# Allegro board 038RT-9068CJK8E-A100_0921_1.brd (continued)
## Placement (name value [footprint] x y rotation side) (continued)
NOREF#3812  -  []  543.03 57.4 0 top
NOREF#3813  -  []  404.09 269.03 0 top
NOREF#3814  -  []  594.34 261.85 90 top
NOREF#3815  -  []  85.65 290.09 0 top
NOREF#3816  -  []  607.42 164.08 0 top
NOREF#3817  -  []  282.4 279.42 90 top
NOREF#3818  -  []  498.69 33.53 0 top
NOREF#3819  -  []  98.92 150.5 90 top
NOREF#3820  -  []  285.67 268.25 90 top
NOREF#3821  -  []  503.67 269.89 0 top
NOREF#3822  -  []  682.83 178.69 90 top
NOREF#3823  -  []  366.53 265.91 0 top
NOREF#3824  -  []  598.8 206.2 90 top
NOREF#3825  -  []  92.99 207.43 90 top
NOREF#3826  -  []  250.03 265.91 90 top
NOREF#3827  -  []  288.89 203.43 90 top
NOREF#3828  -  []  86.2 199 90 top
NOREF#3829  -  []  237.98 41.32 90 top
NOREF#3830  -  []  596.81 267.41 0 top
NOREF#3831  -  []  514.56 35.81 90 top
NOREF#3832  -  []  282.07 267.02 0 top
NOREF#3833  -  []  517.83 415.37 90 top
NOREF#3834  -  []  310.79 422.36 90 top
NOREF#3835  -  []  554.27 230.65 90 top
NOREF#3836  -  []  404.87 199.45 90 top
NOREF#3837  -  []  580.95 257.23 90 top
NOREF#3838  -  []  370.33 213.29 90 top
NOREF#3839  -  []  340.65 239.37 90 top
NOREF#3840  -  []  628.51 196.98 90 top
NOREF#3841  -  []  601.17 208.62 0 top
NOREF#3842  -  []  77.86 262.82 0 top
NOREF#3843  -  []  189.82 28.72 0 top
NOREF#3844  -  []  580.58 322.4 90 top
NOREF#3845  -  []  360.52 284.66 0 top
NOREF#3846  -  []  157.3 305.22 0 top
NOREF#3847  -  []  94.97 209.42 0 top
NOREF#3848  -  []  679.31 288.93 0 top
NOREF#3849  -  []  604.37 263.02 0 top
NOREF#3850  -  []  237.23 271.69 0 top
NOREF#3851  -  []  285.71 264.21 0 top
NOREF#3852  -  []  284.89 267.45 90 top
NOREF#3853  -  []  617.84 312.42 90 top
NOREF#3854  -  []  143.38 234.04 0 top
NOREF#3855  -  []  293.1 221.84 0 top
NOREF#3856  -  []  100.6 34.54 90 top
NOREF#3857  -  []  462.62 428.64 90 top
NOREF#3858  -  []  29.9 424.64 90 top
NOREF#3859  -  []  325.3 274.68 90 top
NOREF#3860  -  []  417.85 261.92 0 top
NOREF#3861  -  []  580.58 325.6 0 top
NOREF#3862  -  []  441.21 284.38 90 top
NOREF#3863  -  []  281.71 265.01 0 top
NOREF#3864  -  []  661.53 141.61 90 top
NOREF#3865  -  []  590.08 149.4 90 top
NOREF#3866  -  []  253.61 210.11 90 top
NOREF#3867  -  []  407.67 200.59 0 top
NOREF#3868  -  []  601.17 267.02 0 top
NOREF#3869  -  []  628.81 261.37 90 top
NOREF#3870  -  []  211.66 214.96 90 top
NOREF#3871  -  []  524.11 48.15 0 top
NOREF#3872  -  []  600.81 267.43 0 top
NOREF#3873  -  []  290.24 245.98 90 top
NOREF#3874  -  []  13.87 392.63 0 top
NOREF#3875  -  []  278.1 213.42 0 top
NOREF#3876  -  []  408.87 212.23 90 top
NOREF#3877  -  []  91.46 195.14 90 top
NOREF#3878  -  []  97.37 267.82 0 top
NOREF#3879  -  []  436.2 229.09 0 top
NOREF#3880  -  []  633.37 224.63 90 top
NOREF#3881  -  []  631.5 145.52 90 top
NOREF#3882  -  []  586.01 242.9 0 top
NOREF#3883  -  []  3.37 399.67 0 top
NOREF#3884  -  []  608.78 275.17 0 top
NOREF#3885  -  []  608.78 208.37 90 top
NOREF#3886  -  []  436.21 278.28 0 top
NOREF#3887  -  []  397.71 212.23 0 top
NOREF#3888  -  []  100.97 205.83 90 top
NOREF#3889  -  []  287.7 269.39 90 top
NOREF#3890  -  []  277.14 223.88 0 top
NOREF#3891  -  []  503.77 29.72 90 top
NOREF#3892  -  []  605.57 261.05 90 top
NOREF#3893  -  []  600.23 242.9 0 top
NOREF#3894  -  []  596.4 262.99 90 top
NOREF#3895  -  []  285.75 285.56 90 top
NOREF#3896  -  []  417.46 262.29 90 top
NOREF#3897  -  []  411.29 261.83 0 top
NOREF#3898  -  []  418.18 378.54 0 top
NOREF#3899  -  []  595.57 209.42 0 top
NOREF#3900  -  []  562.97 149.86 90 top
NOREF#3901  -  []  35.05 426.55 90 top
NOREF#3902  -  []  521.24 60.43 0 top
NOREF#3903  -  []  70.21 164.08 0 top
NOREF#3904  -  []  569.32 160.02 90 top
NOREF#3905  -  []  282.1 211 90 top
NOREF#3906  -  []  412.87 201.05 90 top
NOREF#3907  -  []  337.67 216.53 0 top
NOREF#3908  -  []  578.77 216.23 90 top
NOREF#3909  -  []  107.54 216.08 90 top
NOREF#3910  -  []  693.28 87.04 0 top
NOREF#3911  -  []  267.26 416.84 0 top
NOREF#3912  -  []  353.03 46.1 90 top
NOREF#3913  -  []  139.3 53.82 90 top
NOREF#3914  -  []  96.19 267.45 90 top
NOREF#3915  -  []  93.37 207.02 0 top
NOREF#3916  -  []  297.46 202.29 90 top
NOREF#3917  -  []  90.57 209.85 90 top
NOREF#3918  -  []  441.22 223.73 90 top
NOREF#3919  -  []  239.73 263.62 0 top
NOREF#3920  -  []  113.22 325.6 0 top
NOREF#3921  -  []  349.89 96.61 90 top
NOREF#3922  -  []  184.37 272.9 0 top
NOREF#3923  -  []  600.4 262.2 90 top
NOREF#3924  -  []  593.59 212.21 0 top
NOREF#3925  -  []  98.76 217.99 90 top
NOREF#3926  -  []  85.97 229.19 90 top
NOREF#3927  -  []  219.2 193.04 90 top
NOREF#3928  -  []  337.16 28.19 90 top
NOREF#3929  -  []  257.83 21.92 0 top
NOREF#3930  -  []  285.67 258.65 90 top
NOREF#3931  -  []  103.67 153.24 0 top
NOREF#3932  -  []  69.07 331.72 90 top
NOREF#3933  -  []  173.74 425.5 0 top
NOREF#3934  -  []  627.75 279.51 90 top
NOREF#3935  -  []  594.77 266.22 0 top
NOREF#3936  -  []  584.69 153.42 90 top
NOREF#3937  -  []  505.58 438.53 0 top
NOREF#3938  -  []  340.54 17.88 90 top
NOREF#3939  -  []  595.99 205.81 0 top
NOREF#3940  -  []  405.59 282.09 0 top
NOREF#3941  -  []  137.98 230.84 90 top
NOREF#3942  -  []  88.19 205.01 0 top
NOREF#3943  -  []  106.35 275.62 90 top
NOREF#3944  -  []  275.66 279.4 90 top
NOREF#3945  -  []  566.05 262.44 90 top
NOREF#3946  -  []  595.99 205.01 0 top
NOREF#3947  -  []  106.29 229.19 90 top
NOREF#3948  -  []  461.36 36.71 90 top
NOREF#3949  -  []  593.97 211.82 0 top
NOREF#3950  -  []  257.77 330.54 90 top
NOREF#3951  -  []  542.4 424.45 90 top
NOREF#3952  -  []  164.24 427.41 90 top
NOREF#3953  -  []  379.01 266.2 0 top
NOREF#3954  -  []  105.26 207.35 90 top
NOREF#3955  -  []  616.07 16.89 90 top
NOREF#3956  -  []  406.49 264.23 0 top
NOREF#3957  -  []  287.9 193.53 90 top
NOREF#3958  -  []  603.99 210.63 0 top
NOREF#3959  -  []  388.53 144.61 0 top
NOREF#3960  -  []  89.37 207.02 0 top
NOREF#3961  -  []  436.21 228.44 0 top
NOREF#3962  -  []  326.57 205.1 0 top
NOREF#3963  -  []  399.27 271.45 90 top
NOREF#3964  -  []  590.8 273.42 0 top
NOREF#3965  -  []  275.11 283.88 0 top
NOREF#3966  -  []  436.71 144.84 0 top
NOREF#3967  -  []  602.59 242.01 90 top
NOREF#3968  -  []  99.39 202.61 0 top
NOREF#3969  -  []  91.39 273.03 0 top
NOREF#3970  -  []  440.04 427.89 90 top
NOREF#3971  -  []  366.23 273.28 0 top
NOREF#3972  -  []  336.31 31.07 0 top
NOREF#3973  -  []  687.4 50.29 90 top
NOREF#3974  -  []  534.18 185.39 0 top
NOREF#3975  -  []  285.11 193.92 0 top
NOREF#3976  -  []  413.67 267.43 90 top
NOREF#3977  -  []  595.99 206.61 0 top
NOREF#3978  -  []  181.25 443.92 90 top
NOREF#3979  -  []  682.83 157.73 90 top
NOREF#3980  -  []  365.04 262.31 90 top
NOREF#3981  -  []  66.57 246.05 90 top
NOREF#3982  -  []  92.57 136.91 90 top
NOREF#3983  -  []  245.33 265.91 0 top
NOREF#3984  -  []  175.84 27.91 90 top
NOREF#3985  -  []  284.07 269.85 90 top
NOREF#3986  -  []  83.59 195.14 90 top
NOREF#3987  -  []  283.7 269.39 90 top
NOREF#3988  -  []  420.43 41.32 90 top
NOREF#3989  -  []  678.41 245.12 0 top
NOREF#3990  -  []  338.32 205.1 0 top
NOREF#3991  -  []  77.64 262.39 90 top
NOREF#3992  -  []  604.4 264.6 90 top
NOREF#3993  -  []  288.47 208.62 0 top
NOREF#3994  -  []  398.83 431.62 0 top
NOREF#3995  -  []  415.12 426.36 0 top
NOREF#3996  -  []  0.3 0 90 top
NOREF#3997  -  []  94.17 325.6 0 top
NOREF#3998  -  []  408.89 260.98 0 top
NOREF#3999  -  []  66.53 135 0 top
NOREF#4000  -  []  73.52 316.87 90 top
NOREF#4001  -  []  56.39 212.12 0 top
NOREF#4002  -  []  404.91 209.81 0 top
NOREF#4003  -  []  600.77 263.45 90 top
NOREF#4004  -  []  95.61 160.02 90 top
NOREF#4005  -  []  594.14 241.7 90 top
NOREF#4006  -  []  7.76 19.94 90 top
NOREF#4007  -  []  602.77 268.62 0 top
NOREF#4008  -  []  373.74 27.61 90 top
NOREF#4009  -  []  105.27 316.87 90 top
NOREF#4010  -  []  250.33 205.67 90 top
NOREF#4011  -  []  674.38 279.13 0 top
NOREF#4012  -  []  598.8 204.6 90 top
NOREF#4013  -  []  191.97 260.48 90 top
NOREF#4014  -  []  281.69 47.53 90 top
NOREF#4015  -  []  96.46 290.11 0 top
NOREF#4016  -  []  352.82 446.71 90 top
NOREF#4017  -  []  598.37 209.03 90 top
NOREF#4018  -  []  408.89 200.98 0 top
NOREF#4019  -  []  -27.99 85.48 0 top
NOREF#4020  -  []  440.01 222.99 0 top
NOREF#4021  -  []  411.31 213.01 0 top
NOREF#4022  -  []  573.39 312.42 90 top
NOREF#4023  -  []  398.1 273.42 0 top
NOREF#4024  -  []  329.32 432.44 90 top
NOREF#4025  -  []  235.4 270.11 90 top
NOREF#4026  -  []  383.03 416.84 0 top
NOREF#4027  -  []  625.03 347.19 0 top
NOREF#4028  -  []  100.17 207.43 90 top
NOREF#4029  -  []  191.05 228.77 0 top
NOREF#4030  -  []  539.03 190.34 90 top
NOREF#4031  -  []  284.87 199.45 90 top
NOREF#4032  -  []  72.6 228.22 90 top
NOREF#4033  -  []  77.86 198.12 0 top
NOREF#4034  -  []  93.78 230.09 0 top
NOREF#4035  -  []  402.1 263.8 90 top
NOREF#4036  -  []  155.98 32 0 top
NOREF#4037  -  []  356.58 289.54 0 top
NOREF#4038  -  []  487.42 233.37 0 top
NOREF#4039  -  []  201.75 416.84 0 top
NOREF#4040  -  []  517.23 276.1 0 top
NOREF#4041  -  []  692.13 279.13 90 top
NOREF#4042  -  []  404.89 207.45 90 top
NOREF#4043  -  []  476.74 423.14 90 top
NOREF#4044  -  []  408.89 272.23 0 top
NOREF#4045  -  []  197.26 438.45 90 top
NOREF#4046  -  []  437.41 227.79 90 top
NOREF#4047  -  []  85.37 258.22 0 top
NOREF#4048  -  []  574.64 253.15 0 top
NOREF#4049  -  []  330.54 59.16 0 top
NOREF#4050  -  []  287.67 264.62 0 top
NOREF#4051  -  []  297.83 28.45 90 top
NOREF#4052  -  []  309.38 30.1 90 top
NOREF#4053  -  []  600.77 211.43 90 top
NOREF#4054  -  []  585.18 181.05 90 top
NOREF#4055  -  []  636.29 166.63 0 top
NOREF#4056  -  []  380.42 49.56 90 top
NOREF#4057  -  []  488.58 425.56 0 top
NOREF#4058  -  []  615.48 126.54 90 top
NOREF#4059  -  []  117.8 186.22 90 top
NOREF#4060  -  []  539.03 183.99 90 top
NOREF#4061  -  []  247.28 213.54 0 top
NOREF#4062  -  []  85.97 289.19 90 top
NOREF#4063  -  []  485.71 231.97 0 top
NOREF#4064  -  []  512.44 426.39 90 top
NOREF#4065  -  []  274.46 223.86 0 top
NOREF#4066  -  []  324.92 206.1 90 top
NOREF#4067  -  []  242.71 269.57 90 top
NOREF#4068  -  []  319.44 52.71 90 top
NOREF#4069  -  []  35.55 452.26 90 top
NOREF#4070  -  []  338.32 216.53 0 top
NOREF#4071  -  []  582.96 414.93 90 top
NOREF#4072  -  []  204.06 427.89 90 top
NOREF#4073  -  []  406.49 209.03 90 top
NOREF#4074  -  []  89.17 40.89 0 top
NOREF#4075  -  []  412.09 268.21 0 top
NOREF#4076  -  []  403.09 290.11 90 top
NOREF#4077  -  []  99.37 268.23 90 top
NOREF#4078  -  []  -15.54 277.28 0 top
NOREF#4079  -  []  464.04 429.34 90 top
NOREF#4080  -  []  328.94 27.31 90 top
NOREF#4081  -  []  100.97 204.23 90 top
NOREF#4082  -  []  603.19 261.03 90 top
NOREF#4083  -  []  286.47 262.63 90 top
NOREF#4084  -  []  588.49 203.5 90 top
NOREF#4085  -  []  266.86 261.86 90 top
NOREF#4086  -  []  292.35 285.56 90 top
NOREF#4087  -  []  615.17 215.22 90 top
NOREF#4088  -  []  2.21 245.53 90 top
NOREF#4089  -  []  609.98 275.17 0 top
NOREF#4090  -  []  289.69 269.81 0 top
NOREF#4091  -  []  435.3 218.61 0 top
NOREF#4092  -  []  116.5 279.83 90 top
NOREF#4093  -  []  606.65 182.01 90 top
NOREF#4094  -  []  276.81 280.37 90 top
NOREF#4095  -  []  59.69 148.61 90 top
NOREF#4096  -  []  468.93 37.13 90 top
NOREF#4097  -  []  354.63 62.08 0 top
NOREF#4098  -  []  340.65 205.08 90 top
NOREF#4099  -  []  517.23 231.97 0 top
NOREF#4100  -  []  612.63 332.36 90 top
NOREF#4101  -  []  45.67 275.01 90 top
NOREF#4102  -  []  595.19 212.21 0 top
NOREF#4103  -  []  300.8 454.84 315 top
NOREF#4104  -  []  631.5 362.67 90 top
NOREF#4105  -  []  89.79 262.65 90 top
NOREF#4106  -  []  280.55 220.05 0 top
NOREF#4107  -  []  615.15 189.07 90 top
NOREF#4108  -  []  293.67 210.63 90 top
NOREF#4109  -  []  329.32 437.01 90 top
NOREF#4110  -  []  597.61 267.41 0 top
NOREF#4111  -  []  280.89 266.63 90 top
NOREF#4112  -  []  182.72 265.29 0 top
NOREF#4113  -  []  293.67 270.63 90 top
NOREF#4114  -  []  284.11 265.03 0 top
NOREF#4115  -  []  100.52 230.11 0 top
NOREF#4116  -  []  405.69 206.65 90 top
NOREF#4117  -  []  191.96 287.46 0 top
NOREF#4118  -  []  60.05 258.5 0 top
NOREF#4119  -  []  106.25 275.21 90 top
NOREF#4120  -  []  75.12 346.56 0 top
NOREF#4121  -  []  317 425.56 0 top
NOREF#4122  -  []  599.99 199.43 0 top
NOREF#4123  -  []  273.03 273.53 90 top
NOREF#4124  -  []  207.56 27.63 0 top
NOREF#4125  -  []  75.45 249.07 90 top
NOREF#4126  -  []  91.41 204.21 0 top
NOREF#4127  -  []  595.19 199.45 90 top
NOREF#4128  -  []  86.59 198.63 0 top
NOREF#4129  -  []  151.71 282.81 90 top
NOREF#4130  -  []  408.07 203.45 90 top
NOREF#4131  -  []  279.67 271.02 0 top
NOREF#4132  -  []  404.09 209.83 90 top
NOREF#4133  -  []  318.33 332.54 90 top
NOREF#4134  -  []  94.43 290.11 0 top
NOREF#4135  -  []  624.78 285.14 0 top
NOREF#4136  -  []  256.81 213.31 0 top
NOREF#4137  -  []  287.29 207.41 0 top
NOREF#4138  -  []  403.29 207.41 0 top
NOREF#4139  -  []  230.19 44.59 90 top
NOREF#4140  -  []  404.34 285.56 90 top
NOREF#4141  -  []  283.79 283.21 90 top
NOREF#4142  -  []  631.5 149.92 90 top
NOREF#4143  -  []  104.07 266.89 90 top
NOREF#4144  -  []  416.18 144.61 0 top
NOREF#4145  -  []  407.29 208.21 0 top
NOREF#4146  -  []  311.26 434.85 90 top
NOREF#4147  -  []  410.51 273.01 0 top
NOREF#4148  -  []  132.95 49.42 90 top
NOREF#4149  -  []  602.91 241.71 0 top
NOREF#4150  -  []  13.26 143.82 90 top
NOREF#4151  -  []  75.42 331.72 90 top
NOREF#4152  -  []  575.67 164.08 0 top
NOREF#4153  -  []  618.68 343.99 90 top
NOREF#4154  -  []  571.99 157.23 0 top
NOREF#4155  -  []  330.62 250.8 90 top
NOREF#4156  -  []  67.4 186.22 0 top
NOREF#4157  -  []  97.01 213.01 0 top
NOREF#4158  -  []  171.22 447.73 90 top
NOREF#4159  -  []  337.16 51.05 0 top
NOREF#4160  -  []  91 208.6 90 top
NOREF#4161  -  []  603.82 18.01 0 top
NOREF#4162  -  []  622.79 127 90 top
NOREF#4163  -  []  285.69 199.43 0 top
NOREF#4164  -  []  96.57 266.22 0 top
NOREF#4165  -  []  168.38 62.08 0 top
NOREF#4166  -  []  445.71 21.33 0 top
NOREF#4167  -  []  408.09 211.43 90 top
NOREF#4168  -  []  519.43 447.34 90 top
NOREF#4169  -  []  594.77 264.62 0 top
NOREF#4170  -  []  404.11 261.81 0 top
NOREF#4171  -  []  500.03 177.16 90 top
NOREF#4172  -  []  283.29 264.23 90 top
NOREF#4173  -  []  514.03 263.68 0 top
NOREF#4174  -  []  597.59 263.43 90 top
NOREF#4175  -  []  405.69 264.25 90 top
NOREF#4176  -  []  575.12 211.18 90 top
NOREF#4177  -  []  57.84 216.06 0 top
NOREF#4178  -  []  65.5 253.27 0 top
NOREF#4179  -  []  291.29 207.45 90 top
NOREF#4180  -  []  277.69 283.21 90 top
NOREF#4181  -  []  623.43 159.77 90 top
NOREF#4182  -  []  340.65 227.94 90 top
NOREF#4183  -  []  435.3 226.73 0 top
NOREF#4184  -  []  400.89 266.63 90 top
NOREF#4185  -  []  294.73 250.4 0 top
NOREF#4186  -  []  594.79 241.71 90 top
NOREF#4187  -  []  28.43 59.06 90 top
NOREF#4188  -  []  408.47 271.82 0 top
NOREF#4189  -  []  84.62 130.38 0 top
NOREF#4190  -  []  457.54 435.84 0 top
NOREF#4191  -  []  210.01 436.97 90 top
NOREF#4192  -  []  593.97 260.62 0 top
NOREF#4193  -  []  748.4 85.48 90 top
NOREF#4194  -  []  97.79 206.61 0 top
NOREF#4195  -  []  280.91 268.23 0 top
NOREF#4196  -  []  602.39 261.03 90 top
NOREF#4197  -  []  182.96 434.8 0 top
NOREF#4198  -  []  125.33 49.42 0 top
NOREF#4199  -  []  598.2 181.7 90 top
NOREF#4200  -  []  512.11 415.37 90 top
NOREF#4201  -  []  368.21 144.61 0 top
NOREF#4202  -  []  235.4 263 90 top
NOREF#4203  -  []  291.29 263.43 0 top
NOREF#4204  -  []  87.68 290.09 0 top
NOREF#4205  -  []  447.2 92.61 90 top
NOREF#4206  -  []  66.87 251.51 90 top
NOREF#4207  -  []  409.69 269.81 0 top
NOREF#4208  -  []  436.2 280.96 0 top
NOREF#4209  -  []  94.2 268.6 90 top
NOREF#4210  -  []  166.78 34.29 90 top
NOREF#4211  -  []  79.6 253.22 90 top
NOREF#4212  -  []  601.59 261.03 90 top
NOREF#4213  -  []  570.3 450.93 90 top
NOREF#4214  -  []  283.29 267.41 0 top
NOREF#4215  -  []  286.9 269.39 90 top
NOREF#4216  -  []  86.61 205.03 0 top
NOREF#4217  -  []  104.79 206.48 90 top
NOREF#4218  -  []  279.31 263.41 0 top
NOREF#4219  -  []  692.13 228.33 90 top
NOREF#4220  -  []  462.73 47.53 90 top
NOREF#4221  -  []  638.54 147.72 90 top
NOREF#4222  -  []  444.3 173.22 90 top
NOREF#4223  -  []  482.51 231.97 0 top
NOREF#4224  -  []  96.57 208.62 0 top
NOREF#4225  -  []  560.69 321.94 90 top
NOREF#4226  -  []  622.28 283.84 0 top
NOREF#4227  -  []  279.17 220.07 0 top
NOREF#4228  -  []  249.08 49.56 0 top
NOREF#4229  -  []  604.01 202.63 0 top
NOREF#4230  -  []  46.34 367.32 90 top
NOREF#4231  -  []  337.67 239.39 0 top
NOREF#4232  -  []  417.52 190.01 90 top
NOREF#4233  -  []  574.97 251.05 90 top
NOREF#4234  -  []  21.31 406.27 90 top
NOREF#4235  -  []  591.04 153.42 90 top
NOREF#4236  -  []  95.77 263.02 0 top
NOREF#4237  -  []  159.54 222.56 0 top
NOREF#4238  -  []  14.11 58.67 0 top
NOREF#4239  -  []  601.2 200.59 90 top
NOREF#4240  -  []  330.62 262.23 90 top
NOREF#4241  -  []  88.21 210.61 0 top
NOREF#4242  -  []  284.11 205.03 0 top
NOREF#4243  -  []  245.04 209.94 90 top
NOREF#4244  -  []  325.3 275.33 90 top
NOREF#4245  -  []  278.1 213.42 0 top
NOREF#4246  -  []  278.85 279.15 90 top
NOREF#4247  -  []  251.87 436.45 90 top
NOREF#4248  -  []  405.3 211 90 top
NOREF#4249  -  []  287.29 203.43 90 top
NOREF#4250  -  []  70.6 186.22 90 top
NOREF#4251  -  []  25.12 388.46 90 top
NOREF#4252  -  []  286.07 272.62 0 top
NOREF#4253  -  []  167.54 25.78 90 top
NOREF#4254  -  []  320.38 40.08 90 top
NOREF#4255  -  []  325.22 266.93 0 top
NOREF#4256  -  []  336.65 209.78 0 top
NOREF#4257  -  []  398.07 212.62 0 top
NOREF#4258  -  []  593.2 199.8 90 top
NOREF#4259  -  []  257.77 326.54 90 top
NOREF#4260  -  []  604.4 204.6 90 top
NOREF#4261  -  []  683.79 325.12 90 top
NOREF#4262  -  []  284.07 201.05 90 top
NOREF#4263  -  []  411.29 209.05 90 top
NOREF#4264  -  []  118.18 29.42 0 top
NOREF#4265  -  []  245.33 213.54 0 top
NOREF#4266  -  []  594.14 242.9 0 top
NOREF#4267  -  []  562.97 160.02 90 top
NOREF#4268  -  []  440.02 224.38 0 top
NOREF#4269  -  []  20.34 264.47 0 top
NOREF#4270  -  []  399.31 205.01 0 top
NOREF#4271  -  []  72.02 197.22 90 top
NOREF#4272  -  []  625.1 279.17 0 top
NOREF#4273  -  []  324.92 195.32 90 top
NOREF#4274  -  []  622.28 278.63 0 top
NOREF#4275  -  []  510.41 424.48 0 top
NOREF#4276  -  []  161.06 47.24 90 top
NOREF#4277  -  []  290.9 263.8 90 top
NOREF#4278  -  []  600.4 260.59 90 top
NOREF#4279  -  []  595.99 264.21 0 top
NOREF#4280  -  []  601.59 209.83 90 top
NOREF#4281  -  []  593.61 209.03 0 top
NOREF#4282  -  []  549.93 221.16 90 top
NOREF#4283  -  []  246.3 273.11 90 top
NOREF#4284  -  []  429.28 274.83 0 top
NOREF#4285  -  []  352.82 419.02 90 top
NOREF#4286  -  []  604.38 130.56 90 top
NOREF#4287  -  []  282.07 266.22 0 top
NOREF#4288  -  []  98.59 268.21 0 top
NOREF#4289  -  []  16.37 413.38 0 top
NOREF#4290  -  []  232.2 263 0 top
NOREF#4291  -  []  436.22 49.56 90 top
NOREF#4292  -  []  168.61 266.69 0 top
NOREF#4293  -  []  279.72 223.21 90 top
NOREF#4294  -  []  398.68 432.22 90 top
NOREF#4295  -  []  155.09 453.95 0 top
NOREF#4296  -  []  389.33 423.14 0 top
NOREF#4297  -  []  314.68 274.83 0 top
NOREF#4298  -  []  100.97 264.23 90 top
NOREF#4299  -  []  569.32 50.59 0 top
NOREF#4300  -  []  103.75 229.46 90 top
NOREF#4301  -  []  341.01 437.44 90 top
NOREF#4302  -  []  565.64 157.23 0 top
NOREF#4303  -  []  595.19 198.63 90 top
NOREF#4304  -  []  600.01 261.81 0 top
NOREF#4305  -  []  292.07 269.85 90 top
NOREF#4306  -  []  682.28 49.29 90 top
NOREF#4307  -  []  600.23 181.7 90 top
NOREF#4308  -  []  403.27 258.65 90 top
NOREF#4309  -  []  575.29 253.16 0 top
NOREF#4310  -  []  406.07 267.82 0 top
NOREF#4311  -  []  408.5 263 90 top
NOREF#4312  -  []  27.76 481.59 90 top
NOREF#4313  -  []  52.64 371.17 90 top
NOREF#4314  -  []  63.82 188.15 0 top
NOREF#4315  -  []  87.82 322.4 90 top
NOREF#4316  -  []  606.37 259.43 90 top
NOREF#4317  -  []  592.1 242.9 0 top
NOREF#4318  -  []  367.28 213.54 0 top
NOREF#4319  -  []  399.29 211.45 90 top
NOREF#4320  -  []  402.1 271 90 top
NOREF#4321  -  []  633.45 118.19 0 top
NOREF#4322  -  []  595.19 258.63 90 top
NOREF#4323  -  []  126.81 21.55 90 top
NOREF#4324  -  []  485.71 276.1 0 top
NOREF#4325  -  []  574.97 252.26 90 top
NOREF#4326  -  []  403.29 204.23 90 top
NOREF#4327  -  []  669.23 31.15 0 top
NOREF#4328  -  []  52.31 270.37 90 top
NOREF#4329  -  []  378.17 50.36 90 top
NOREF#4330  -  []  400.89 210.61 0 top
NOREF#4331  -  []  88.21 203.43 0 top
NOREF#4332  -  []  115.62 280.79 90 top
NOREF#4333  -  []  670.26 275.28 0 top
NOREF#4334  -  []  88.19 205.05 90 top
NOREF#4335  -  []  27.16 65.41 0 top
NOREF#4336  -  []  288.89 201.03 0 top
NOREF#4337  -  []  536.05 432.05 0 top
NOREF#4338  -  []  251.77 144.61 0 top
NOREF#4339  -  []  559.93 159.77 90 top
NOREF#4340  -  []  585.33 149.86 90 top
NOREF#4341  -  []  512.11 415.37 0 top
NOREF#4342  -  []  296.45 263.55 90 top
NOREF#4343  -  []  309.25 92.61 90 top
NOREF#4344  -  []  593.34 253.37 90 top
NOREF#4345  -  []  284.89 269.03 0 top
NOREF#4346  -  []  584.3 242.01 90 top
NOREF#4347  -  []  283.31 273.03 0 top
NOREF#4348  -  []  79.65 179.12 90 top
NOREF#4349  -  []  98.59 209.05 90 top
NOREF#4350  -  []  435.3 280.64 0 top
NOREF#4351  -  []  595.19 268.25 90 top
NOREF#4352  -  []  588.04 242.9 0 top
NOREF#4353  -  []  244.78 212.24 0 top
NOREF#4354  -  []  402.47 271.43 90 top
NOREF#4355  -  []  290.47 200.2 90 top
NOREF#4356  -  []  634.88 200.67 90 top
NOREF#4357  -  []  407.31 264.23 0 top
NOREF#4358  -  []  92.57 127.64 90 top
NOREF#4359  -  []  368.06 444.8 90 top
NOREF#4360  -  []  508.45 443.13 0 top
NOREF#4361  -  []  559.16 319.4 0 top
NOREF#4362  -  []  88.99 209.83 90 top
NOREF#4363  -  []  602.26 241.7 0 top
NOREF#4364  -  []  477.02 39.2 90 top
NOREF#4365  -  []  495.84 41.35 90 top
NOREF#4366  -  []  289.71 268.23 0 top
NOREF#4367  -  []  192.62 29.12 90 top
NOREF#4368  -  []  88.57 268.62 0 top
NOREF#4369  -  []  414.73 250.4 0 top
NOREF#4370  -  []  247.28 273.53 0 top
NOREF#4371  -  []  286.1 208.6 90 top
NOREF#4372  -  []  356.63 444.8 0 top
NOREF#4373  -  []  324.89 209.08 0 top
NOREF#4374  -  []  81.36 258.12 90 top
NOREF#4375  -  []  280.37 223.23 90 top
NOREF#4376  -  []  169.62 434.8 90 top
NOREF#4377  -  []  286.51 272.21 0 top
NOREF#4378  -  []  403.29 267.41 0 top
NOREF#4379  -  []  106.62 230.11 0 top
NOREF#4380  -  []  288.47 268.62 0 top
NOREF#4381  -  []  280.89 202.63 90 top
NOREF#4382  -  []  232.69 184.28 0 top
NOREF#4383  -  []  79.87 136.91 90 top
NOREF#4384  -  []  364.78 204.62 0 top
NOREF#4385  -  []  600.01 201.81 0 top
NOREF#4386  -  []  289.7 290.11 90 top
NOREF#4387  -  []  406.49 221.84 0 top
NOREF#4388  -  []  631.5 160.43 90 top
NOREF#4389  -  []  280.88 222.96 90 top
NOREF#4390  -  []  288.89 206.65 90 top
NOREF#4391  -  []  78.27 130.38 0 top
NOREF#4392  -  []  679.31 207.6 90 top
NOREF#4393  -  []  333.69 433.78 0 top
NOREF#4394  -  []  693.28 54.65 0 top
NOREF#4395  -  []  592.81 265.83 0 top
NOREF#4396  -  []  151.2 271.5 0 top
NOREF#4397  -  []  90.61 213.01 0 top
NOREF#4398  -  []  337.54 31.92 0 top
NOREF#4399  -  []  405.3 201.4 90 top
NOREF#4400  -  []  612.63 314.58 0 top
NOREF#4401  -  []  407.7 201.39 90 top
NOREF#4402  -  []  289.69 272.21 0 top
NOREF#4403  -  []  58.14 211.67 0 top
NOREF#4404  -  []  61.64 209.57 90 top
NOREF#4405  -  []  3.19 17.91 90 top
NOREF#4406  -  []  604.01 213.83 0 top
NOREF#4407  -  []  449.23 431.58 90 top
NOREF#4408  -  []  352.27 46.35 0 top
NOREF#4409  -  []  632.68 256.55 90 top
NOREF#4410  -  []  440.32 282.67 0 top
NOREF#4411  -  []  283.86 39.73 90 top
NOREF#4412  -  []  88.19 211.41 0 top
NOREF#4413  -  []  89.93 284.86 90 top
NOREF#4414  -  []  333.26 43.43 0 top
NOREF#4415  -  []  411.29 261.03 90 top
NOREF#4416  -  []  375.04 437.44 90 top
NOREF#4417  -  []  251.52 50.36 90 top
NOREF#4418  -  []  602.41 207.43 0 top
NOREF#4419  -  []  289.67 260.25 90 top
NOREF#4420  -  []  221.05 431.62 0 top
NOREF#4421  -  []  407.67 207.82 0 top
NOREF#4422  -  []  308.33 378.54 0 top
NOREF#4423  -  []  291.29 261.83 0 top
NOREF#4424  -  []  285.69 266.65 90 top
NOREF#4425  -  []  533.66 48.15 90 top
NOREF#4426  -  []  620 226.22 0 top
NOREF#4427  -  []  94.2 208.6 90 top
NOREF#4428  -  []  99.39 261.81 0 top
NOREF#4429  -  []  86.2 266.99 90 top
NOREF#4430  -  []  604.79 261.01 0 top
NOREF#4431  -  []  390.53 378.54 0 top
NOREF#4432  -  []  326.89 262.25 0 top
NOREF#4433  -  []  407.31 206.63 0 top
NOREF#4434  -  []  86.61 270.61 0 top
NOREF#4435  -  []  527.31 51.35 90 top
NOREF#4436  -  []  648.43 22.49 90 top
NOREF#4437  -  []  604.95 182.91 0 top
NOREF#4438  -  []  598.53 182.01 90 top
NOREF#4439  -  []  596.82 181.71 0 top
NOREF#4440  -  []  591.68 159.77 90 top
NOREF#4441  -  []  352.27 27.31 0 top
NOREF#4442  -  []  612.96 343.99 90 top
NOREF#4443  -  []  400.5 259.8 90 top
NOREF#4444  -  []  286.07 267.02 0 top
NOREF#4445  -  []  410.9 202.2 90 top
NOREF#4446  -  []  599.99 203.43 90 top
NOREF#4447  -  []  4.29 285.03 0 top
NOREF#4448  -  []  690.26 261.28 90 top
NOREF#4449  -  []  94.97 206.22 0 top
NOREF#4450  -  []  357.02 23.47 90 top
NOREF#4451  -  []  574.53 310.77 90 top
NOREF#4452  -  []  88.88 229.44 90 top
NOREF#4453  -  []  440.18 53.56 90 top
NOREF#4454  -  []  405.69 266.65 90 top
NOREF#4455  -  []  337.7 442.9 0 top
NOREF#4456  -  []  592.81 203.43 0 top
NOREF#4457  -  []  88.57 263.82 0 top
NOREF#4458  -  []  104.5 309.88 0 top
NOREF#4459  -  []  280.88 280.37 90 top
NOREF#4460  -  []  230 203 0 top
NOREF#4461  -  []  20.34 212.72 90 top
NOREF#4462  -  []  85.4 259.02 0 top
NOREF#4463  -  []  178.5 228.77 90 top
NOREF#4464  -  []  357.05 208.71 90 top
NOREF#4465  -  []  281.2 283.88 0 top
NOREF#4466  -  []  595.57 200.62 0 top
NOREF#4467  -  []  437.4 288.44 90 top
NOREF#4468  -  []  248.32 50.36 0 top
NOREF#4469  -  []  65.5 253.27 0 top
NOREF#4470  -  []  211.06 416.84 90 top
NOREF#4471  -  []  600.56 182.01 90 top
NOREF#4472  -  []  34.34 207.92 90 top
NOREF#4473  -  []  93.4 262.99 90 top
NOREF#4474  -  []  284.91 209.81 0 top
NOREF#4475  -  []  111.62 150.5 90 top
NOREF#4476  -  []  91.39 208.23 0 top
NOREF#4477  -  []  91.41 200.23 0 top
NOREF#4478  -  []  115.1 208.15 90 top
NOREF#4479  -  []  100.52 325.6 0 top
NOREF#4480  -  []  98.57 271.43 90 top
NOREF#4481  -  []  63.07 248.15 0 top
NOREF#4482  -  []  516.16 57.23 90 top
NOREF#4483  -  []  88.17 257.85 90 top
NOREF#4484  -  []  593.59 267.41 0 top
NOREF#4485  -  []  284.62 283.86 0 top
NOREF#4486  -  []  405.69 259.43 0 top
NOREF#4487  -  []  88.21 202.63 0 top
NOREF#4488  -  []  601.2 273.4 90 top
NOREF#4489  -  []  198.48 259.08 0 top
NOREF#4490  -  []  625.03 322.4 90 top
NOREF#4491  -  []  409.3 260.59 90 top
NOREF#4492  -  []  283.67 208.62 0 top
NOREF#4493  -  []  276.31 279.42 90 top
NOREF#4494  -  []  -2.69 36.65 0 top
NOREF#4495  -  []  18.92 446.05 0 top
NOREF#4496  -  []  403.67 203.02 0 top
NOREF#4497  -  []  406.49 203.43 90 top
NOREF#4498  -  []  233.14 44.59 90 top
NOREF#4499  -  []  411.29 208.25 90 top
NOREF#4500  -  []  593.59 203.45 90 top
NOREF#4501  -  []  171.86 46.1 90 top
NOREF#4502  -  []  588.37 242.01 90 top
NOREF#4503  -  []  519.64 44.45 90 top
NOREF#4504  -  []  503.18 220.96 0 top
NOREF#4505  -  []  632.24 358.82 90 top
NOREF#4506  -  []  408.89 212.23 90 top
NOREF#4507  -  []  338.32 239.39 0 top
NOREF#4508  -  []  75.12 322.4 90 top
NOREF#4509  -  []  325.92 205.1 0 top
NOREF#4510  -  []  191.76 49.56 90 top
NOREF#4511  -  []  400.89 204.23 90 top
NOREF#4512  -  []  604.62 242.01 90 top
NOREF#4513  -  []  117.79 432.36 90 top
NOREF#4514  -  []  92.07 230.41 90 top
NOREF#4515  -  []  531.98 238.4 0 top
NOREF#4516  -  []  240.57 213.99 90 top
NOREF#4517  -  []  190.3 177.22 0 top
NOREF#4518  -  []  684.26 218.72 90 top
NOREF#4519  -  []  410.87 261.42 0 top
NOREF#4520  -  []  286.47 268.25 90 top
NOREF#4521  -  []  61.87 248.15 0 top
NOREF#4522  -  []  290.49 270.63 0 top
NOREF#4523  -  []  175.3 222.56 0 top
NOREF#4524  -  []  284.09 210.63 0 top
NOREF#4525  -  []  89.79 270.63 0 top
NOREF#4526  -  []  595.19 206.63 0 top
NOREF#4527  -  []  406.1 204.6 90 top
NOREF#4528  -  []  245.33 205.92 0 top
NOREF#4529  -  []  602 271 90 top
NOREF#4530  -  []  606.65 180.8 90 top
NOREF#4531  -  []  599.19 204.23 0 top
NOREF#4532  -  []  290.87 207.82 0 top
NOREF#4533  -  []  461.84 438.04 0 top
NOREF#4534  -  []  89.53 289.46 90 top
NOREF#4535  -  []  403.31 268.23 0 top
NOREF#4536  -  []  324.89 231.94 0 top
NOREF#4537  -  []  11.29 238.12 0 top
NOREF#4538  -  []  679.31 242.02 0 top
NOREF#4539  -  []  525.26 446.3 0 top
NOREF#4540  -  []  284.11 207.43 0 top
NOREF#4541  -  []  621.19 129.74 0 top
NOREF#4542  -  []  622.83 219.93 0 top
NOREF#4543  -  []  97.37 260.62 0 top
NOREF#4544  -  []  406.32 194.31 0 top
NOREF#4545  -  []  79.87 309.63 90 top
NOREF#4546  -  []  407.29 260.23 0 top
NOREF#4547  -  []  286.9 211 90 top
NOREF#4548  -  []  605.57 201.05 90 top
NOREF#4549  -  []  669.23 63.54 0 top
NOREF#4550  -  []  87.8 260.59 90 top
NOREF#4551  -  []  288.91 261.81 0 top
NOREF#4552  -  []  7.76 146.3 90 top
NOREF#4553  -  []  282.91 220.37 90 top
NOREF#4554  -  []  49.15 236.86 0 top
NOREF#4555  -  []  217.75 435.84 0 top
NOREF#4556  -  []  88.19 263.41 0 top
NOREF#4557  -  []  97.4 211.8 90 top
NOREF#4558  -  []  365.39 442.9 90 top
NOREF#4559  -  []  673.94 26.29 0 top
NOREF#4560  -  []  628.51 196.98 0 top
NOREF#4561  -  []  284.89 212.25 90 top
NOREF#4562  -  []  329.32 432.44 90 top
NOREF#4563  -  []  358.37 32.31 0 top
NOREF#4564  -  []  498.27 269.89 0 top
NOREF#4565  -  []  98.59 201.85 90 top
NOREF#4566  -  []  506.73 426.39 0 top
NOREF#4567  -  []  285.3 261.39 90 top
NOREF#4568  -  []  137.9 47.77 90 top
NOREF#4569  -  []  596.82 241.71 0 top
NOREF#4570  -  []  460.69 432.22 90 top
NOREF#4571  -  []  11.81 143.02 90 top
NOREF#4572  -  []  177.04 419.4 90 top
NOREF#4573  -  []  403.67 268.62 0 top
NOREF#4574  -  []  514.03 272.9 90 top
NOREF#4575  -  []  602.39 265.03 0 top
NOREF#4576  -  []  210.01 216.36 90 top
NOREF#4577  -  []  711.28 34.65 90 top
NOREF#4578  -  []  237.85 225.12 0 top
NOREF#4579  -  []  181.25 443.92 0 top
NOREF#4580  -  []  336.67 240.39 90 top
NOREF#4581  -  []  290.47 211.45 90 top
NOREF#4582  -  []  521.24 41.35 90 top
NOREF#4583  -  []  575.12 271.18 90 top
NOREF#4584  -  []  313.07 28.45 90 top
NOREF#4585  -  []  275.11 220.07 0 top
NOREF#4586  -  []  405.71 264.21 0 top
NOREF#4587  -  []  606.37 263.45 90 top
NOREF#4588  -  []  291.29 269.05 90 top
NOREF#4589  -  []  283.27 198.65 90 top
NOREF#4590  -  []  274.46 220.05 0 top
NOREF#4591  -  []  345.83 426.39 90 top
NOREF#4592  -  []  597.57 263.43 90 top
NOREF#4593  -  []  167.92 425.5 0 top
NOREF#4594  -  []  622.28 218.63 0 top
NOREF#4595  -  []  609.96 309.88 0 top
NOREF#4596  -  []  89.79 201.85 90 top
NOREF#4597  -  []  548.62 422.8 0 top
NOREF#4598  -  []  493.24 144.61 0 top
NOREF#4599  -  []  278.51 209.03 0 top
NOREF#4600  -  []  82.91 141.22 0 top
NOREF#4601  -  []  288.09 261.03 0 top
NOREF#4602  -  []  93.81 260.23 0 top
NOREF#4603  -  []  275.76 40.33 0 top
NOREF#4604  -  []  85.81 208.23 0 top
NOREF#4605  -  []  403.67 208.62 0 top
NOREF#4606  -  []  400.89 271.41 0 top
NOREF#4607  -  []  373.81 39.72 0 top
NOREF#4608  -  []  661.31 236.6 0 top
NOREF#4609  -  []  283.06 431.62 0 top
NOREF#4610  -  []  337.85 40.1 0 top
NOREF#4611  -  []  610.6 331.47 0 top
NOREF#4612  -  []  435.82 39.72 0 top
NOREF#4613  -  []  458.3 181.22 90 top
NOREF#4614  -  []  625.2 156.58 90 top
NOREF#4615  -  []  292.2 222.09 0 top
NOREF#4616  -  []  604.3 241.7 90 top
NOREF#4617  -  []  156.42 240.39 0 top
NOREF#4618  -  []  287.27 198.65 90 top
NOREF#4619  -  []  605.57 209.85 90 top
NOREF#4620  -  []  280.37 219.42 90 top
NOREF#4621  -  []  407.7 269.39 90 top
NOREF#4622  -  []  375.04 446.71 90 top
NOREF#4623  -  []  259.98 49.56 90 top
NOREF#4624  -  []  173.74 415.59 90 top
NOREF#4625  -  []  410.49 270.63 0 top
NOREF#4626  -  []  336.65 209.08 0 top
NOREF#4627  -  []  450.3 189.22 90 top
NOREF#4628  -  []  507.11 432.44 90 top
NOREF#4629  -  []  398.1 199.02 90 top
NOREF#4630  -  []  203.26 23.33 0 top
NOREF#4631  -  []  500.09 31.37 90 top
NOREF#4632  -  []  93.77 264.25 90 top
NOREF#4633  -  []  254.89 183.56 90 top
NOREF#4634  -  []  117.15 219.84 90 top
NOREF#4635  -  []  363.71 428.29 90 top
NOREF#4636  -  []  404.34 225.56 90 top
NOREF#4637  -  []  386.32 436.97 90 top
NOREF#4638  -  []  97.37 270.22 0 top
NOREF#4639  -  []  285.69 265.85 90 top
NOREF#4640  -  []  670.26 294.33 0 top
NOREF#4641  -  []  361.71 444.8 0 top
NOREF#4642  -  []  232.2 210.11 0 top
NOREF#4643  -  []  376.81 266.2 0 top
NOREF#4644  -  []  588.37 240.8 90 top
NOREF#4645  -  []  412.89 212.23 90 top
NOREF#4646  -  []  654.31 271.4 0 top
NOREF#4647  -  []  645.9 384.61 90 top
NOREF#4648  -  []  599.6 199.8 90 top
NOREF#4649  -  []  292.11 267.43 0 top
NOREF#4650  -  []  604.38 309.63 90 top
NOREF#4651  -  []  93.57 254.24 90 top
NOREF#4652  -  []  534.18 232.05 0 top
NOREF#4653  -  []  139.21 29.25 90 top
NOREF#4654  -  []  602.77 210.22 0 top
NOREF#4655  -  []  173.63 443.92 90 top
NOREF#4656  -  []  278.52 283.86 0 top
NOREF#4657  -  []  282.79 92.61 90 top
NOREF#4658  -  []  281.71 210.61 0 top
NOREF#4659  -  []  596.77 271.43 90 top
NOREF#4660  -  []  370.03 265.91 90 top
NOREF#4661  -  []  366.23 213.29 0 top
NOREF#4662  -  []  539.03 230.65 90 top
NOREF#4663  -  []  193.62 259.08 90 top
NOREF#4664  -  []  144.31 427.5 0 top
NOREF#4665  -  []  51.55 235.66 90 top
NOREF#4666  -  []  93.59 229.46 90 top
NOREF#4667  -  []  79.87 330.58 90 top
NOREF#4668  -  []  628.81 196.73 90 top
NOREF#4669  -  []  327.8 438.53 0 top
NOREF#4670  -  []  711.28 67.04 90 top
NOREF#4671  -  []  599.97 267.45 90 top
NOREF#4672  -  []  286.07 207.02 0 top
NOREF#4673  -  []  153.22 230.84 90 top
NOREF#4674  -  []  597.67 47.64 0 top
NOREF#4675  -  []  66.87 186.3 90 top
NOREF#4676  -  []  403.63 435.24 90 top
NOREF#4677  -  []  405.3 206.22 90 top
NOREF#4678  -  []  91.37 264.23 90 top
NOREF#4679  -  []  286.57 281.66 0 top
NOREF#4680  -  []  410.87 271.02 0 top
NOREF#4681  -  []  287.9 277.54 90 top
NOREF#4682  -  []  404.89 272.25 90 top
NOREF#4683  -  []  284.06 433.64 90 top
NOREF#4684  -  []  117.79 432.36 0 top
NOREF#4685  -  []  284.62 223.86 0 top
NOREF#4686  -  []  286.1 203 90 top
NOREF#4687  -  []  85.81 211.43 0 top
NOREF#4688  -  []  314.68 214.83 0 top
NOREF#4689  -  []  115.62 220.79 90 top
NOREF#4690  -  []  91.39 260.23 0 top
NOREF#4691  -  []  357.23 264.07 0 top
NOREF#4692  -  []  437.41 225.76 90 top
NOREF#4693  -  []  89.01 210.61 0 top
NOREF#4694  -  []  290.87 267.82 0 top
NOREF#4695  -  []  284.91 204.21 0 top
NOREF#4696  -  []  140.64 215.4 90 top
NOREF#4697  -  []  269.07 436.97 90 top
NOREF#4698  -  []  288.56 190.87 90 top
NOREF#4699  -  []  631.5 158.23 90 top
NOREF#4700  -  []  478.3 189.22 90 top
NOREF#4701  -  []  606.39 267.43 90 top
NOREF#4702  -  []  282.9 200.59 90 top
NOREF#4703  -  []  595.99 265.81 0 top
NOREF#4704  -  []  410.87 207.82 0 top
NOREF#4705  -  []  91.62 219.97 90 top
NOREF#4706  -  []  599.19 208.23 0 top
NOREF#4707  -  []  593.59 201.81 0 top
NOREF#4708  -  []  615.81 130.56 90 top
NOREF#4709  -  []  370.21 142.61 90 top
NOREF#4710  -  []  94.61 266.63 0 top
NOREF#4711  -  []  349.55 39.83 90 top
NOREF#4712  -  []  60.63 192.62 90 top
NOREF#4713  -  []  282.9 209.4 90 top
NOREF#4714  -  []  284.44 283.23 90 top
NOREF#4715  -  []  674.38 260.08 0 top
NOREF#4716  -  []  609.08 268.62 90 top
NOREF#4717  -  []  279.31 207.41 0 top
NOREF#4718  -  []  240.57 212.59 90 top
NOREF#4719  -  []  14.75 13.02 90 top
NOREF#4720  -  []  592.37 263 90 top
NOREF#4721  -  []  283.24 283.88 0 top
NOREF#4722  -  []  60.05 198.5 90 top
NOREF#4723  -  []  602.39 262.65 90 top
NOREF#4724  -  []  272.13 203.55 90 top
NOREF#4725  -  []  572.8 414.93 90 top
NOREF#4726  -  []  292.2 282.09 0 top
NOREF#4727  -  []  340.12 426.39 0 top
NOREF#4728  -  []  747.89 359.4 90 top
NOREF#4729  -  []  594.39 201.85 90 top
NOREF#4730  -  []  240.57 273.99 90 top
NOREF#4731  -  []  214.51 48.93 0 top
NOREF#4732  -  []  279.7 263.8 90 top
NOREF#4733  -  []  282.47 210.63 90 top
NOREF#4734  -  []  468.26 438.24 90 top
NOREF#4735  -  []  351.65 231.08 0 top
NOREF#4736  -  []  208.21 286.06 0 top
NOREF#4737  -  []  440.02 226.41 0 top
NOREF#4738  -  []  443.2 378.54 0 top
NOREF#4739  -  []  253.61 266.2 0 top
NOREF#4740  -  []  291.29 209.05 90 top
NOREF#4741  -  []  593.75 254.06 0 top
NOREF#4742  -  []  594.77 203.02 0 top
NOREF#4743  -  []  601.2 211.8 90 top
NOREF#4744  -  []  98.15 309.88 0 top
NOREF#4745  -  []  660.26 147.95 0 top
NOREF#4746  -  []  86.22 337.82 90 top
NOREF#4747  -  []  623.88 219.68 90 top
NOREF#4748  -  []  410.07 210.22 0 top
NOREF#4749  -  []  402.47 270.63 90 top
NOREF#4750  -  []  77.64 197.69 90 top
NOREF#4751  -  []  464.14 47.53 90 top
NOREF#4752  -  []  74.45 246.22 90 top
NOREF#4753  -  []  603.99 206.61 0 top
NOREF#4754  -  []  601.59 213.03 0 top
NOREF#4755  -  []  90.97 150.04 90 top
NOREF#4756  -  []  57.91 210 90 top
NOREF#4757  -  []  284.89 207.45 90 top
NOREF#4758  -  []  88.57 263.02 0 top
NOREF#4759  -  []  97.37 207.82 0 top
NOREF#4760  -  []  598.53 180.8 90 top
NOREF#4761  -  []  620.12 164.08 0 top
NOREF#4762  -  []  562.97 153.92 0 top
NOREF#4763  -  []  406.9 211 90 top
NOREF#4764  -  []  410.24 185.98 90 top
NOREF#4765  -  []  288.87 199.45 90 top
NOREF#4766  -  []  641.53 262.07 90 top
NOREF#4767  -  []  412.95 218.14 0 top
NOREF#4768  -  []  190.77 286.06 0 top
NOREF#4769  -  []  408.07 258.65 90 top
NOREF#4770  -  []  95.41 200.23 0 top
NOREF#4771  -  []  302.91 32.26 0 top
NOREF#4772  -  []  683.79 89.79 90 top
NOREF#4773  -  []  239.73 271.24 0 top
NOREF#4774  -  []  628.81 261.37 0 top
NOREF#4775  -  []  282.91 282.96 90 top
NOREF#4776  -  []  353.8 48.9 90 top
NOREF#4777  -  []  598.03 309.63 90 top
NOREF#4778  -  []  253.61 270.11 90 top
NOREF#4779  -  []  280.09 268.25 90 top
NOREF#4780  -  []  130.67 149.61 90 top
NOREF#4781  -  []  594.46 180.8 90 top
NOREF#4782  -  []  307.99 32.26 0 top
NOREF#4783  -  []  90.59 269.83 90 top
NOREF#4784  -  []  286.49 270.61 0 top
NOREF#4785  -  []  541 422.8 90 top
NOREF#4786  -  []  66.57 191.26 90 top
NOREF#4787  -  []  519.43 231.97 0 top
NOREF#4788  -  []  612.96 347.19 0 top
NOREF#4789  -  []  399.7 203.8 90 top
NOREF#4790  -  []  411.27 211.43 90 top
NOREF#4791  -  []  284.44 219.42 90 top
NOREF#4792  -  []  291.29 203.43 0 top
NOREF#4793  -  []  125.08 448.42 0 top
NOREF#4794  -  []  673.94 150.11 90 top
NOREF#4795  -  []  603.97 261.05 90 top
NOREF#4796  -  []  -11.44 206.3 0 top
NOREF#4797  -  []  284.87 205.83 90 top
NOREF#4798  -  []  97.01 202.63 0 top
NOREF#4799  -  []  30.51 449.41 90 top
NOREF#4800  -  []  407.67 264.62 0 top
NOREF#4801  -  []  327.8 443.1 0 top
NOREF#4802  -  []  94.97 267.02 0 top
NOREF#4803  -  []  435.3 282.67 0 top
NOREF#4804  -  []  429.28 214.83 0 top
NOREF#4805  -  []  581.81 209.48 90 top
NOREF#4806  -  []  282.1 209.4 90 top
NOREF#4807  -  []  602.77 209.42 0 top
NOREF#4808  -  []  411.7 271.79 90 top
NOREF#4809  -  []  291.27 209.03 90 top
NOREF#4810  -  []  89.79 265.81 0 top
NOREF#4811  -  []  617.08 149.86 90 top
NOREF#4812  -  []  436.2 278.93 0 top
NOREF#4813  -  []  90.59 261.83 0 top
NOREF#4814  -  []  98.59 204.21 0 top
NOREF#4815  -  []  516.12 424.48 90 top
NOREF#4816  -  []  402.47 258.65 90 top
NOREF#4817  -  []  313.95 449.83 90 top
NOREF#4818  -  []  284.34 225.56 90 top
NOREF#4819  -  []  86.17 208.62 0 top
NOREF#4820  -  []  513.71 438.07 90 top
NOREF#4821  -  []  285.11 254.75 0 top
NOREF#4822  -  []  399.08 43.68 0 top
NOREF#4823  -  []  595.99 204.21 0 top
NOREF#4824  -  []  599.21 264.21 0 top
NOREF#4825  -  []  441.22 219.66 90 top
NOREF#4826  -  []  334.02 444.8 0 top
NOREF#4827  -  []  409.71 209.83 0 top
NOREF#4828  -  []  98.59 209.85 90 top
NOREF#4829  -  []  285.67 269.85 90 top
NOREF#4830  -  []  -11.44 79.94 0 top
NOREF#4831  -  []  80.63 333.38 90 top
NOREF#4832  -  []  24.99 468.25 90 top
NOREF#4833  -  []  686.33 330.2 90 top
NOREF#4834  -  []  93.79 205.03 0 top
NOREF#4835  -  []  58.14 216.31 0 top
NOREF#4836  -  []  269.56 27.63 0 top
NOREF#4837  -  []  89.79 206.63 90 top
NOREF#4838  -  []  599.6 211 90 top
NOREF#4839  -  []  399.67 267.82 0 top
NOREF#4840  -  []  232.96 27.63 90 top
NOREF#4841  -  []  373.44 433.78 0 top
NOREF#4842  -  []  353.03 53.34 90 top
NOREF#4843  -  []  404.87 259.45 90 top
NOREF#4844  -  []  238.53 209.14 90 top
NOREF#4845  -  []  588.69 241.71 90 top
NOREF#4846  -  []  409.71 261.81 0 top
NOREF#4847  -  []  604.11 241.06 90 top
NOREF#4848  -  []  603.17 201.05 90 top
NOREF#4849  -  []  597.59 204.25 90 top
NOREF#4850  -  []  93.79 203.43 90 top
NOREF#4851  -  []  536.05 428.85 90 top
NOREF#4852  -  []  591.57 210.22 0 top
NOREF#4853  -  []  404.87 266.63 90 top
NOREF#4854  -  []  673.94 58.67 0 top
NOREF#4855  -  []  282.47 258.65 90 top
NOREF#4856  -  []  602 262.2 90 top
NOREF#4857  -  []  217.7 194.14 0 top
NOREF#4858  -  []  20.34 232.72 0 top
NOREF#4859  -  []  338.69 43.18 0 top
NOREF#4860  -  []  575.61 34.98 0 top
NOREF#4861  -  []  577.38 152.6 0 top
NOREF#4862  -  []  373.61 210.11 90 top
NOREF#4863  -  []  598.79 312.42 90 top
NOREF#4864  -  []  21.1 398.17 90 top
NOREF#4865  -  []  107.35 426.58 90 top
NOREF#4866  -  []  481.71 23.33 90 top
NOREF#4867  -  []  309.28 211.63 90 top
NOREF#4868  -  []  633.37 218.02 90 top
NOREF#4869  -  []  88.21 270.61 0 top
NOREF#4870  -  []  166.01 46.35 0 top
NOREF#4871  -  []  403.67 263.02 0 top
NOREF#4872  -  []  602.39 203.45 90 top
NOREF#4873  -  []  170.81 260.48 0 top
NOREF#4874  -  []  583.98 241.7 0 top
NOREF#4875  -  []  529.78 204.44 0 top
NOREF#4876  -  []  59.69 166.73 0 top
NOREF#4877  -  []  282.47 211.43 90 top
NOREF#4878  -  []  209.44 431.58 90 top
NOREF#4879  -  []  333.69 433.78 90 top
NOREF#4880  -  []  89.4 199.8 90 top
NOREF#4881  -  []  141.16 430.7 90 top
NOREF#4882  -  []  529.78 225.76 0 top
NOREF#4883  -  []  513.8 44.7 0 top
NOREF#4884  -  []  154.09 453.95 90 top
NOREF#4885  -  []  85.45 330.83 0 top
NOREF#4886  -  []  100.17 263.43 90 top
NOREF#4887  -  []  627.24 207.08 90 top
NOREF#4888  -  []  88 229.19 90 top
NOREF#4889  -  []  600.77 267.45 90 top
NOREF#4890  -  []  158.13 229.44 90 top
NOREF#4891  -  []  408.07 209.83 90 top
NOREF#4892  -  []  620.12 160.02 90 top
NOREF#4893  -  []  592.81 263.43 0 top
NOREF#4894  -  []  487.42 220.96 0 top
NOREF#4895  -  []  54.32 187.81 0 top
NOREF#4896  -  []  579.95 288.22 90 top
NOREF#4897  -  []  406.47 208.25 90 top
NOREF#4898  -  []  287.29 263.43 90 top
NOREF#4899  -  []  379.01 273.31 0 top
NOREF#4900  -  []  88.19 264.21 0 top
NOREF#4901  -  []  282.91 280.37 90 top
NOREF#4902  -  []  100.97 261.03 90 top
NOREF#4903  -  []  277.65 430.09 90 top
NOREF#4904  -  []  612.96 213.5 90 top
NOREF#4905  -  []  93.37 267.02 0 top
NOREF#4906  -  []  176.94 438.45 90 top
NOREF#4907  -  []  100.6 42.16 0 top
NOREF#4908  -  []  350 210.11 0 top
NOREF#4909  -  []  393.06 250.84 90 top
NOREF#4910  -  []  603.17 265.03 90 top
NOREF#4911  -  []  45.67 210.37 90 top
NOREF#4912  -  []  603.46 181.05 90 top
NOREF#4913  -  []  57.84 211.42 0 top
NOREF#4914  -  []  602.39 209.81 0 top
NOREF#4915  -  []  497.24 330.54 90 top
NOREF#4916  -  []  399.83 438.04 0 top
NOREF#4917  -  []  100.97 265.83 90 top
NOREF#4918  -  []  91.37 265.03 90 top
NOREF#4919  -  []  94.61 269.03 0 top
NOREF#4920  -  []  75.42 310.77 90 top
NOREF#4921  -  []  153.22 237.19 90 top
NOREF#4922  -  []  436.21 284.38 0 top
NOREF#4923  -  []  110.02 150.04 90 top
NOREF#4924  -  []  594.77 263.82 0 top
NOREF#4925  -  []  353.8 29.84 90 top
NOREF#4926  -  []  288.09 269.03 0 top
NOREF#4927  -  []  440.01 220.96 0 top
NOREF#4928  -  []  61.87 188.15 0 top
NOREF#4929  -  []  435.3 284.7 0 top
NOREF#4930  -  []  284.09 269.03 0 top
NOREF#4931  -  []  91 207 90 top
NOREF#4932  -  []  282.91 219.15 90 top
NOREF#4933  -  []  158.52 427.41 0 top
NOREF#4934  -  []  387.22 431.58 90 top
NOREF#4935  -  []  254.53 50.36 0 top
NOREF#4936  -  []  164.3 154.22 0 top
NOREF#4937  -  []  598.2 242.9 0 top
NOREF#4938  -  []  57.84 276.06 0 top
NOREF#4939  -  []  603.61 277.3 90 top
NOREF#4940  -  []  376.81 273.31 0 top
NOREF#4941  -  []  103.67 150.04 90 top
NOREF#4942  -  []  337.7 424.48 0 top
NOREF#4943  -  []  174.78 23.16 90 top
NOREF#4944  -  []  288.09 201.03 0 top
NOREF#4945  -  []  413.17 281.66 0 top
NOREF#4946  -  []  500.92 41.35 90 top
NOREF#4947  -  []  62.72 335.53 0 top
NOREF#4948  -  []  87.8 271.79 90 top
NOREF#4949  -  []  350.91 444.8 0 top
NOREF#4950  -  []  282.59 220.05 0 top
NOREF#4951  -  []  365.04 269.93 90 top
NOREF#4952  -  []  598.03 159.77 90 top
NOREF#4953  -  []  409.71 268.23 0 top
NOREF#4954  -  []  281.71 270.61 0 top
NOREF#4955  -  []  57.44 377.37 0 top
NOREF#4956  -  []  87.39 270.65 90 top
NOREF#4957  -  []  151.71 286.01 0 top
NOREF#4958  -  []  403.29 201.03 90 top
NOREF#4959  -  []  75.12 343.36 90 top
NOREF#4960  -  []  436.21 218.28 0 top
NOREF#4961  -  []  95.39 272.21 0 top
NOREF#4962  -  []  358.83 263.37 0 top
NOREF#4963  -  []  90.61 273.01 0 top
NOREF#4964  -  []  25.76 395.34 0 top
NOREF#4965  -  []  286.51 212.21 0 top
NOREF#4966  -  []  324.92 228.96 90 top
NOREF#4967  -  []  11.29 288.93 0 top
NOREF#4968  -  []  89.4 258.19 90 top
NOREF#4969  -  []  76.11 256.82 0 top
NOREF#4970  -  []  254.52 184.22 0 top
NOREF#4971  -  []  87.41 273.01 0 top
NOREF#4972  -  []  441.21 222.34 90 top
NOREF#4973  -  []  595.73 277.3 90 top
NOREF#4974  -  []  163.91 416.38 0 top
NOREF#4975  -  []  287.29 213.01 0 top
NOREF#4976  -  []  97.01 260.23 0 top
NOREF#4977  -  []  436.51 282.67 0 top
NOREF#4978  -  []  105.79 229.46 90 top
NOREF#4979  -  []  87.41 261.81 0 top
NOREF#4980  -  []  534.18 198.09 0 top
NOREF#4981  -  []  285.69 201.03 0 top
NOREF#4982  -  []  634.21 206.32 0 top
NOREF#4983  -  []  254.17 184.46 0 top
NOREF#4984  -  []  402.7 33.83 90 top
NOREF#4985  -  []  419.03 418.84 90 top
NOREF#4986  -  []  402.47 211.43 90 top
NOREF#4987  -  []  191.97 266.69 90 top
NOREF#4988  -  []  282.4 223.23 90 top
NOREF#4989  -  []  22.19 386.74 90 top
NOREF#4990  -  []  514.03 276.1 0 top
NOREF#4991  -  []  86.97 262.22 0 top
NOREF#4992  -  []  79.65 239.12 90 top
NOREF#4993  -  []  180.15 221.16 90 top
NOREF#4994  -  []  374.97 50.36 0 top
NOREF#4995  -  []  228.47 438.24 90 top
NOREF#4996  -  []  684.26 269.52 90 top
NOREF#4997  -  []  592.79 209.85 90 top
NOREF#4998  -  []  406.57 221.66 0 top
NOREF#4999  -  []  600.79 206.63 90 top
NOREF#5000  -  []  340.12 444.8 90 top
NOREF#5001  -  []  601.17 267.82 0 top
NOREF#5002  -  []  358.83 209.39 90 top
NOREF#5003  -  []  88.6 271 90 top
NOREF#5004  -  []  288.89 266.65 90 top
NOREF#5005  -  []  97.79 269.81 0 top
NOREF#5006  -  []  593.59 259.43 0 top
NOREF#5007  -  []  517.23 225.76 0 top
NOREF#5008  -  []  78.27 150.04 90 top
NOREF#5009  -  []  323.1 27.56 0 top
NOREF#5010  -  []  404.47 267.02 0 top
NOREF#5011  -  []  542.62 447.54 90 top
NOREF#5012  -  []  284.11 206.63 0 top
NOREF#5013  -  []  441.22 279.66 90 top
NOREF#5014  -  []  670.26 224.48 0 top
NOREF#5015  -  []  90.2 271 90 top
NOREF#5016  -  []  623.88 284.89 90 top
NOREF#5017  -  []  657.72 147.95 0 top
NOREF#5018  -  []  170.81 272.9 0 top
NOREF#5019  -  []  592.79 205.05 90 top
NOREF#5020  -  []  173.37 235.79 90 top
NOREF#5021  -  []  93.33 333.38 90 top
NOREF#5022  -  []  235.89 230.13 0 top
NOREF#5023  -  []  575.29 21.05 0 top
NOREF#5024  -  []  98.59 204.25 90 top
NOREF#5025  -  []  572.8 422.55 0 top
NOREF#5026  -  []  363.31 49.56 0 top
NOREF#5027  -  []  605.57 269.85 90 top
NOREF#5028  -  []  441.21 280.31 90 top
NOREF#5029  -  []  342.24 51.05 0 top
NOREF#5030  -  []  671.31 219.6 0 top
NOREF#5031  -  []  246.23 265.66 0 top
NOREF#5032  -  []  686.33 340.36 90 top
NOREF#5033  -  []  596.49 180.8 90 top
NOREF#5034  -  []  284.47 205.42 0 top
NOREF#5035  -  []  376.81 206.2 0 top
NOREF#5036  -  []  96.99 213.03 0 top
NOREF#5037  -  []  600.79 261.83 0 top
NOREF#5038  -  []  283.79 279.4 90 top
NOREF#5039  -  []  89.37 266.22 0 top
NOREF#5040  -  []  603.99 207.45 90 top
NOREF#5041  -  []  14.11 147.57 90 top
NOREF#5042  -  []  602.39 206.65 90 top
NOREF#5043  -  []  195.66 434.8 0 top
NOREF#5044  -  []  52.31 276.41 90 top
NOREF#5045  -  []  -57.3 124.07 0 top
NOREF#5046  -  []  606.37 203.43 90 top
NOREF#5047  -  []  602.59 182.01 90 top
NOREF#5048  -  []  83.62 230.09 0 top
NOREF#5049  -  []  51.24 155.66 0 top
NOREF#5050  -  []  432.77 425.56 0 top
NOREF#5051  -  []  399.83 433.64 90 top
NOREF#5052  -  []  409.3 200.59 90 top
NOREF#5053  -  []  488.58 422.36 90 top
NOREF#5054  -  []  673.94 56.13 90 top
NOREF#5055  -  []  682.28 16.9 90 top
NOREF#5056  -  []  285.3 290.22 0 top
NOREF#5057  -  []  88.12 314.58 0 top
NOREF#5058  -  []  240.57 206.37 90 top
NOREF#5059  -  []  173.01 260.48 0 top
NOREF#5060  -  []  81.47 322.4 90 top
NOREF#5061  -  []  279.7 262.2 90 top
NOREF#5062  -  []  169.62 434.8 0 top
NOREF#5063  -  []  52.64 146.41 90 top
NOREF#5064  -  []  592.75 182.91 0 top
NOREF#5065  -  []  437.4 222.34 90 top
NOREF#5066  -  []  607.53 181.05 90 top
NOREF#5067  -  []  410.9 262.2 90 top
NOREF#5068  -  []  436.51 220.64 0 top
NOREF#5069  -  []  91.8 203 90 top
NOREF#5070  -  []  248.68 454.25 0 top
NOREF#5071  -  []  407.29 267.41 0 top
NOREF#5072  -  []  94.17 271.82 0 top
NOREF#5073  -  []  175.84 23.47 90 top
NOREF#5074  -  []  683.79 115.19 0 top
NOREF#5075  -  []  34.34 258.72 90 top
NOREF#5076  -  []  63.82 193.36 0 top
NOREF#5077  -  []  604.79 201.01 0 top
NOREF#5078  -  []  62.77 253.11 0 top
NOREF#5079  -  []  404.07 269.85 90 top
NOREF#5080  -  []  386.86 261.86 90 top
NOREF#5081  -  []  603.74 153.42 90 top
NOREF#5082  -  []  91.46 255.14 90 top
NOREF#5083  -  []  645.9 391.01 90 top
NOREF#5084  -  []  673.94 179.96 0 top
NOREF#5085  -  []  72.6 233.97 0 top
NOREF#5086  -  []  22.66 386.16 90 top
NOREF#5087  -  []  661.31 287.4 0 top
NOREF#5088  -  []  282.1 260.59 90 top
NOREF#5089  -  []  36.29 271.4 90 top
NOREF#5090  -  []  280.88 282.96 90 top
NOREF#5091  -  []  604.02 19.99 90 top
NOREF#5092  -  []  59.69 161.33 90 top
